# Altium PCB DAB_PCB.PcbDoc (part 2 of 3)
Units mil, origin at the board's own origin, x right, y up, seen from the top; angles counter-clockwise.
Board outline 6665.03 x 2844.03 mil, 4 copper layers (Top Layer, GND1, POWER1, Bottom Layer), stack 30.634 mil thick; 251 components, 123 nets, 1376 pads, 1039 vias.
Unrouted connection lines stored in the file: 2.
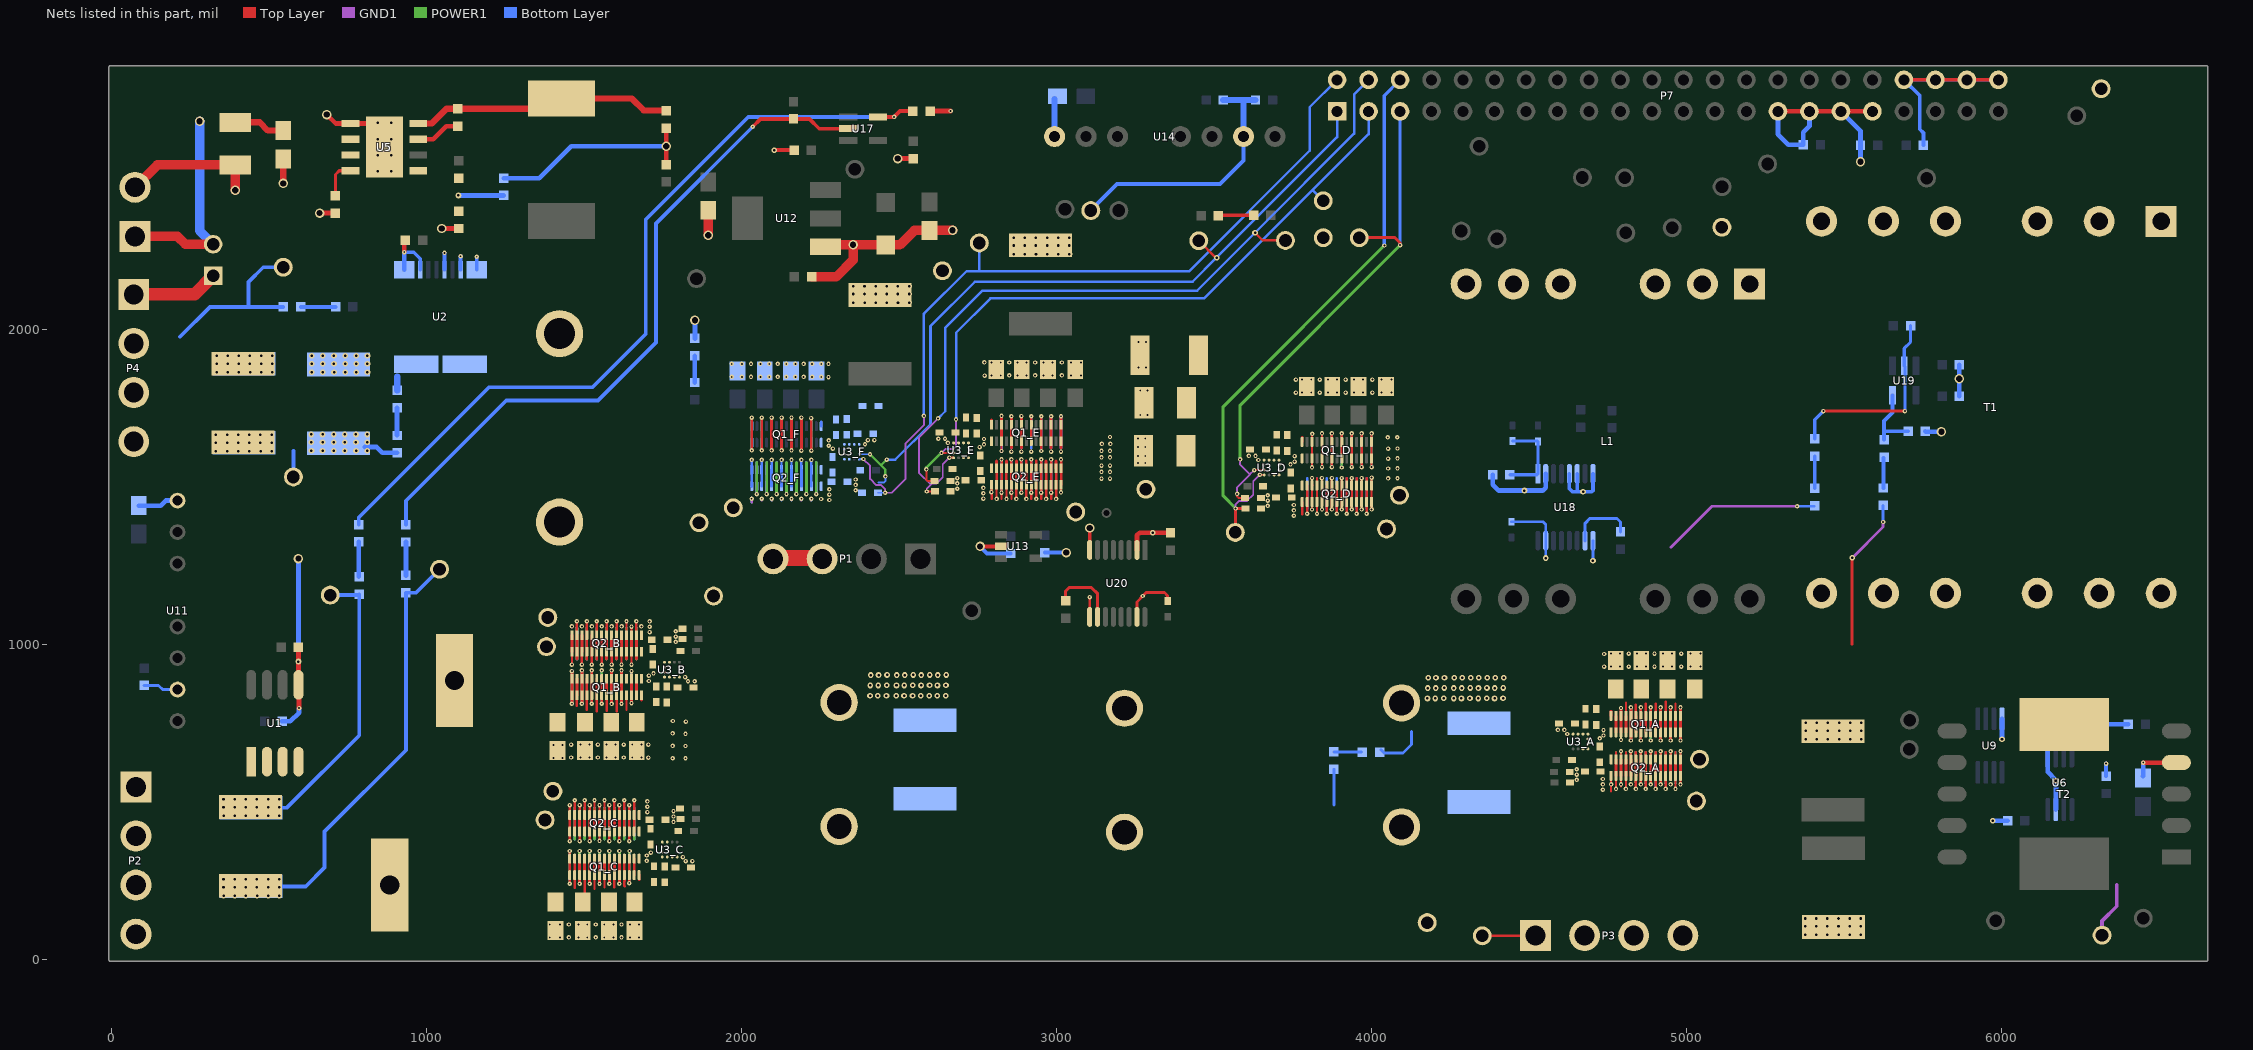
[diagram p4: the nets of this part, all layers, seen from the top]

## Via types
v1: diameter 14, hole 6, Top Layer to Bottom Layer, tented both sides, 440 vias
v2: diameter 18, hole 8, Top Layer to Bottom Layer, 287 vias
v3: diameter 14, hole 6, Top Layer to Bottom Layer, 148 vias
v4: diameter 18, hole 8, Top Layer to Bottom Layer, tented both sides, 136 vias
v5: diameter 30, hole 20, Top Layer to Bottom Layer, tented both sides, 27 vias
v6: diameter 18, hole 8, Top Layer to Bottom Layer, tented top, 1 vias

## Nets (pads, with @x,y where several pads share a name; then routed paths per layer and width w, separated by ;. In a path a pad name is that pad's centre, name@x,y a point inside that pad or via, vN(x,y) a via of type N, cw(c..) or ccw(c..) an arc to the next point about the centre after c; other vN are vias at no path point) (continued)
NetC3_2: C3.2 C11.1 C12.1 C13.2 C14.2 C24_A.2 C24_B.2 C24_C.2 C25_A.2 C25_B.2 C25_C.2 C33_A.2 C33_B.2 C33_C.2 C34_A.2 C34_B.2 C34_C.2 C47.1 P3.1 P3.2 P47.1 Q1_A.3 Q1_A.4 Q1_A.7 Q1_A.8 Q1_A.11 Q1_A.12 Q1_A.15 Q1_A.16 Q1_A.19 Q1_A.20 Q1_A.23 Q1_A.24 Q1_A.27 Q1_A.28 Q1_B.3 Q1_B.4 Q1_B.7 Q1_B.8 Q1_B.11 Q1_B.12 Q1_B.15 Q1_B.16 Q1_B.19 Q1_B.20 Q1_B.23 Q1_B.24 Q1_B.27 Q1_B.28 Q1_C.3 Q1_C.4 Q1_C.7 Q1_C.8 Q1_C.11 Q1_C.12 Q1_C.15 Q1_C.16 Q1_C.19 Q1_C.20 Q1_C.23 Q1_C.24 Q1_C.27 Q1_C.28 R48.1 R54.2 | length 2645.1
  Top Layer w7.5: 1470.2,228.6 Q1_C.27@1470.2,268.64 ; 1477.2,805.7 Q1_B.27@1477.2,839.89 ; C25_C.2@1501.69,188.77 Q1_C.23@1501.69,268.64 ; 1508.69,793.91 Q1_B.23@1508.69,839.89 ; 1533.19,225.71 Q1_C.19@1533.19,268.64 ; 1540.19,788.81 Q1_B.19@1540.19,839.89 ; 1564.69,229.91 Q1_C.15@1564.69,268.64 ; 1571.69,789.69 Q1_B.15@1571.69,839.89 ; 1596.18,230.02 Q1_C.11@1596.18,268.64 ; 1603.18,789.62 Q1_B.11@1603.18,839.89 ; Q1_C.7@1627.68,268.64 1628.93,267.39 1628.93,251.06 1627.78,249.91 1627.78,234.82 1629.9,232.7 ; 1634.68,794.28 Q1_B.7@1634.68,839.89 ; Q1_A.7@4808.24,774.36 4808.24,816.74 ; Q1_A.11@4839.74,774.36 4839.74,810.44 ; Q1_A.15@4871.24,774.36 4871.24,812.46 ; Q1_A.19@4902.73,774.36 4902.73,813.83 ; Q1_A.27@4965.72,774.36 4965.72,813.68
  Top Layer w7.53: Q1_A.23@4934.23,774.36 4934.23,820.13
  Top Layer w9: Q1_C.27@1470.2,268.64 Q1_C.28@1470.2,321 ; Q1_B.27@1477.2,839.89 Q1_B.28@1477.2,892.25 ; Q1_C.23@1501.69,268.64 Q1_C.24@1501.69,321 ; Q1_B.23@1508.69,839.89 Q1_B.24@1508.69,892.25 ; Q1_C.19@1533.19,268.64 Q1_C.20@1533.19,321 ; Q1_B.19@1540.19,839.89 Q1_B.20@1540.19,892.25 ; Q1_C.15@1564.69,268.64 Q1_C.16@1564.69,321 ; Q1_B.15@1571.69,839.89 Q1_B.16@1571.69,892.25 ; Q1_C.11@1596.18,268.64 Q1_C.12@1596.18,321 ; Q1_B.11@1603.18,839.89 Q1_B.12@1603.18,892.25 ; Q1_C.7@1627.68,268.64 Q1_C.8@1627.68,321 ; Q1_C.3@1659.18,268.64 Q1_C.4@1659.18,321 ; Q1_B.3@1666.18,839.89 Q1_B.4@1666.18,892.25 ; P47.1@4352,76 P3.1@4520.14,76 ; Q1_A.4@4776.75,722 Q1_A.3@4776.75,774.36 ; Q1_A.8@4808.24,722 Q1_A.7@4808.24,774.36 ; Q1_A.12@4839.74,722 Q1_A.11@4839.74,774.36 ; Q1_A.16@4871.24,722 Q1_A.15@4871.24,774.36 ; Q1_A.20@4902.73,722 Q1_A.19@4902.73,774.36 ; Q1_A.24@4934.23,722 Q1_A.23@4934.23,774.36 ; Q1_A.28@4965.72,722 Q1_A.27@4965.72,774.36 ; 5526,1002 5526,1275 v4(5527,1276)
  GND1 w9: v4(5527,1276) 5625,1374 v1(5625,1390)
  Bottom Layer w9: R54.2@4031,667 4041,657 4100,657 4127,684 4127,725 ; v1(5625,1390) R48.1@5625,1442
  other v1: 1781,640 1822,640 1781,679.33 1822,678.67 1822,717.33 1781,718.67 1823,756 1782,758
  other v2: 5379,700 5414.4,700 5449.8,700 5485.2,700 5520.6,700 5556,700 5378.8,727 5414.2,727 5449.6,727 5485,727 5520.4,727 5555.8,727 5378.8,752 5414.2,752 5449.6,752 5485,752 5520.4,752 5555.8,752
  other v4: 4178,829.8 4203,829.8 4230,830 4261,829.8 4286,829.8 4313,830 4339,829.8 4366,830 4391,829.8 4418,830 2408,838.1 2433,838.1 2460,838.3 2491,838.1 2516,838.1 2543,838.3 2569,838.1 2596,838.3 2621,838.1 2648,838.3 4179,862.8 4204,862.8 4231,863 4262,862.8 4287,862.8 4314,863 4340,862.8 4367,863 4392,862.8 4419,863 2409,871.1 2434,871.1 2461,871.3 2492,871.1 2517,871.1 2544,871.3 2570,871.1 2597,871.3 2622,871.1 2649,871.3 4180,895.8 4205,895.8 4232,896 4263,895.8 4288,895.8 4315,896 4341,895.8 4368,896 4393,895.8 4420,896 2410,904.1 2435,904.1 2462,904.3 2493,904.1 2518,904.1 2545,904.3 2571,904.1 2598,904.3 2623,904.1 2650,904.3
NetC4_1: C4.1 C5.1 C15.1 C22_E.1 P28_E.1 Q1_E.2 Q1_E.5 Q1_E.6 Q1_E.9 Q1_E.10 Q1_E.13 Q1_E.14 Q1_E.17 Q1_E.18 Q1_E.21 Q1_E.22 Q1_E.25 Q1_E.26 Q1_E.29 Q1_E.30 Q2_E.3 Q2_E.4 Q2_E.7 Q2_E.8 Q2_E.11 Q2_E.12 Q2_E.15 Q2_E.16 Q2_E.19 Q2_E.20 Q2_E.23 Q2_E.24 Q2_E.27 Q2_E.28 U3_E.C1 U3_E.D4 | length 2242.7
  Top Layer w7.5: v1(2809.75,1463.4) Q2_E.4@2809.75,1508.14 ; v1(2825.5,1615.6) Q1_E.6@2825.5,1646.5 ; v1@2841.24,1463.4 Q2_E.8@2841.24,1508.14 ; v1(2872.74,1463.4) Q2_E.12@2872.74,1508.14 ; v1(2904.24,1463.4) Q2_E.16@2904.24,1508.14 ; v1(2935.73,1463.4) Q2_E.20@2935.73,1508.14 ; v1@2967.23,1463.4 Q2_E.24@2967.23,1508.14 ; v1(2998.72,1463.4) Q2_E.28@2998.72,1508.14
  Top Layer w8: Q2_E.4@2809.75,1508.14 Q2_E.3@2809.75,1560.5 ; Q2_E.8@2841.24,1508.14 Q2_E.7@2841.24,1560.5 ; Q2_E.12@2872.74,1508.14 Q2_E.11@2872.74,1560.5 ; Q2_E.16@2904.24,1508.14 Q2_E.15@2904.24,1560.5 ; Q2_E.20@2935.73,1508.14 Q2_E.19@2935.73,1560.5 ; Q2_E.24@2967.23,1508.14 Q2_E.23@2967.23,1560.5 ; Q2_E.28@2998.72,1508.14 Q2_E.27@2998.72,1560.5
  Top Layer w9: Q2_E.3@2809.75,1560.5 2809.75,1584 ; Q1_E.6@2825.5,1646.5 Q1_E.5@2825.5,1698.86 v1(2825.5,1726.9) ; Q2_E.7@2841.24,1560.5 2841.24,1584 ; 2857,1625.5 Q1_E.10@2856.99,1646.5 Q1_E.9@2856.99,1698.86 v1(2856.99,1726) ; Q2_E.11@2872.74,1560.5 2872.74,1584 ; 2888.49,1625.5 Q1_E.14@2888.49,1646.5 Q1_E.13@2888.49,1698.86 v1(2888.49,1726.01) ; Q2_E.15@2904.24,1560.5 2904.24,1584 ; Q1_E.18@2919.98,1646.5 Q1_E.17@2919.98,1698.86 v1(2919.98,1726) ; Q2_E.19@2935.73,1560.5 2935.73,1584 ; 2951.48,1625.5 Q1_E.22@2951.48,1646.5 Q1_E.21@2951.48,1698.86 v1@2951.48,1723.02 ; Q2_E.23@2967.23,1560.5 2967.23,1584 ; 2982.98,1625.5 Q1_E.26@2982.98,1646.5 Q1_E.25@2982.98,1698.86 v1(2982.98,1726) ; Q2_E.27@2998.72,1560.5 2998.72,1584 ; 3014.47,1625.5 Q1_E.30@3014.47,1646.5 Q1_E.29@3014.47,1698.86 v1@3014.47,1723.97
  GND1 w9: v1@2825.5,1613.1 v1@2825.75,1613.35 ; v1@2825.5,1613.6 v1@2825.75,1613.35 ; v1@2826,1613.1 v1@2825.75,1613.35 ; v1@2826,1613.6 v1@2825.75,1613.35 ; v1@2919.98,1613.1 v1(2919.98,1613.6) v1@2919.98,1614.1
  Bottom Layer w9: v1(2825.5,1726.9) 2825.5,1724.19 2825.7,1724 2826.1,1724.4 2826.1,1624.1 ; 2857,1625.5 v1(2856.99,1726) ; 2888.49,1625.5 v1(2888.49,1726.01) ; v1@2919.98,1613.1 v1(2919.98,1613.6) v1@2919.98,1614.1 ; 2919.98,1625.5 v1(2919.98,1726) ; 2951.48,1625.5 v1(2951.48,1726) ; 2982.98,1625.5 v1(2982.98,1726) ; 3014.47,1625.5 v1(3014.47,1726)
  other v1: 2841.25,1463.4 2967.25,1463.4 3143,1528 3170,1528 3143,1549 3170,1549 3143,1569 3170,1569 3143,1595 3170,1595 2857,1613.6 2888.49,1613.6 2982.98,1613.6 3014.47,1613.6 2951.48,1615.6 3143,1616 3170,1616 2756,1628 2770,1636.5 3144,1638 3171,1638 2655,1641.5 2625,1654.5 2646,1654.5 2770,1653.5 3170,1660
  other v3: 3259,1577 3282,1577 3259,1599 3282,1599 3259,1628 3282,1628 3259,1655 3282,1655 3266,1730 3289,1730 3266,1808 3289,1808 3261,1881 3284,1881 3261,1961 3284,1961
NetC4_2: C4.2 C5.2 C15.2 L1.2
NetC8_1: C8.1 C9.1 C22_B.1 P2.3 P2.4 P11.1 P28_B.1 Q1_B.2 Q1_B.5 Q1_B.6 Q1_B.9 Q1_B.10 Q1_B.13 Q1_B.14 Q1_B.17 Q1_B.18 Q1_B.21 Q1_B.22 Q1_B.25 Q1_B.26 Q1_B.29 Q1_B.30 Q2_B.3 Q2_B.4 Q2_B.7 Q2_B.8 Q2_B.11 Q2_B.12 Q2_B.15 Q2_B.16 Q2_B.19 Q2_B.20 Q2_B.23 Q2_B.24 Q2_B.27 Q2_B.28 R41.2 U3_B.C1 U3_B.D4 | length 5663.4
  Top Layer w7.5: Q2_B.28@1477.2,1030.61 v1(1477.2,1075) ; Q2_B.24@1508.69,1030.61 v1(1508.69,1075) ; Q2_B.20@1540.19,1030.61 v1(1540.19,1075) ; Q2_B.16@1571.69,1030.61 v1(1571.69,1075) ; Q2_B.12@1603.18,1030.61 v1(1603.18,1075) ; Q2_B.8@1634.68,1030.61 v1(1634.68,1075) ; Q2_B.4@1666.18,1030.61 v1(1666.18,1075)
  Top Layer w9: v1(1461.3,916.7) 1461.3,892.4 Q1_B.30@1461.45,892.25 Q1_B.29@1461.45,839.89 v1@1461.45,814.78 ; 1477.2,954.75 Q2_B.27@1477.2,978.25 Q2_B.28@1477.2,1030.61 ; v1(1492.95,812.75) Q1_B.25@1492.95,839.89 Q1_B.26@1492.95,892.25 v1@1492.95,913.25 ; 1508.69,954.75 Q2_B.23@1508.69,978.25 Q2_B.24@1508.69,1030.61 ; v1@1524.44,815.73 Q1_B.21@1524.44,839.89 Q1_B.22@1524.44,892.25 v1@1524.44,913.25 ; 1540.19,954.75 Q2_B.19@1540.19,978.25 Q2_B.20@1540.19,1030.61 ; v1(1555.94,812.75) Q1_B.17@1555.94,839.89 Q1_B.18@1555.94,892.25 ; 1571.69,954.75 Q2_B.15@1571.69,978.25 Q2_B.16@1571.69,1030.61 ; v1(1587.43,812.74) Q1_B.13@1587.43,839.89 Q1_B.14@1587.43,892.25 v1@1587.43,913.25 ; 1603.18,954.75 Q2_B.11@1603.18,978.25 Q2_B.12@1603.18,1030.61 ; Q1_B.10@1618.92,892.26 v1@1618.92,913.25 ; v1(1618.93,812.75) Q1_B.9@1618.93,839.89 Q1_B.10@1618.93,892.25 ; 1634.68,954.75 Q2_B.7@1634.68,978.25 Q2_B.8@1634.68,1030.61 ; v1@1649.94,814.27 v1(1650.43,814.75) Q1_B.5@1650.43,839.89 Q1_B.6@1650.43,892.25 ; 1666.18,954.75 Q2_B.3@1666.18,978.25 Q2_B.4@1666.18,1030.61
  GND1 w9: v1@1461.3,812.9 v1(1461.45,812.75) ; v1@1650.43,912.24 1649.92,912.74 v1@1650.43,913.25
  POWER1 w9: v1(1461.3,916.7) 1461.3,812.9 v1(1461.45,812.75) ; 1477.2,954.75 1477.2,1053.02 ; v1(1492.95,812.75) v1@1492.95,913.25 ; 1508.69,954.75 1508.69,1053.02 ; v1(1524.44,812.75) v1@1524.44,913.25 ; 1540.19,954.75 1540.19,1052.52 ; v1(1555.94,812.75) v1@1555.94,914.25 ; 1571.69,954.75 1571.69,1053.01 ; v1(1587.43,812.74) v1@1587.43,913.25 ; 1603.18,954.75 1603.18,1052.51 ; v1(1618.93,812.75) v1@1618.93,913.25 ; 1634.68,954.75 1634.68,1052.25 ; v1(1650.43,814.75) v1@1650.43,913.87 ; 1666.18,954.75 1666.18,1052.25
  Bottom Layer w9: v1(1461.3,916.7) 1461.3,812.9 v1(1461.45,812.75) ; 1477.2,954.75 1477.2,1053.02 ; v1(1492.95,812.75) v1@1492.95,913.25 ; 1508.69,954.75 1508.69,1053.02 ; v1(1524.44,812.75) v1@1524.44,913.25 ; 1540.19,954.75 1540.19,1053.02 ; v1(1555.94,812.75) v1@1555.94,914.25 ; 1571.69,954.75 1571.69,1053.02 ; v1(1587.43,812.74) v1@1587.43,913.25 ; 1603.18,954.75 1603.18,1053.02 ; v1(1618.93,812.75) v1@1618.92,913.25 ; 1634.68,954.75 1634.68,1053.02 ; v1(1650.43,814.75) v1@1650.43,913.87 ; 1666.18,954.75 1666.18,1053.02
  Bottom Layer w12: C8.1@443,233 532,233 616,233 676,293 676,407 934.26,665.26 R41.2@934.26,1165.5 966.5,1165.5 P11.1@1041,1240
  other v1: 1829.92,884.25 1850.92,884.25 1705.92,885.25 1820.92,897.25 1705.92,902.25 1720.5,909.5 1650.43,916.7 1492.95,918.7 1524.44,918.7 1555.94,918.7 1587.43,918.7 1618.92,918.7
  other v2: 355.2,204 390.6,204 426,204 461.4,204 496.8,204 532.2,204 355,231 390.4,231 425.8,231 461.2,231 496.6,231 532,231 355,256 390.4,256 425.8,256 461.2,256 496.6,256 532,256
NetC8_2: C8.2 C9.2 P2.1 P2.2 P10.1 R36.1 U1.1 U1.2 | length 975.3
  Bottom Layer w12: C8.2@443,483 556.7,483 786.26,712.55 R36.1@786.26,1160.5 ; P10.1@694,1158 R36.1@783,1158
  other v2: 355.2,457 390.6,457 426,457 461.4,457 496.8,457 532.2,457 355,484 390.4,484 425.8,484 461.2,484 496.6,484 532,484 355,509 390.4,509 425.8,509 461.2,509 496.6,509 532,509
NetC16_2: C16.2 C17.2 C18.2 P4.1 P4.2 P5.1 P21.1 R1.2 R32.1 U2.10 | length 897.3
  Top Layer w40: P4.1@70,2112.86 262.86,2112.86 P5.1@322,2172
  Bottom Layer w12: 217,1978 312,2073 434,2073 ; R32.1@545,2073 434,2073 ; P21.1@545,2199 481,2199 434,2152 434,2073
  Bottom Layer w20: R1.2@906.25,1807.75 906.25,1851.75
  other v2: 333,1866 368.4,1866 403.8,1866 439.2,1866 474.6,1866 510,1866 635.2,1866 670.6,1866 706,1866 741.4,1866 776.8,1866 812.2,1866 332.8,1893 368.2,1893 403.6,1893 439,1893 474.4,1893 509.8,1893 635,1893 670.4,1893 705.8,1893 741.2,1893 776.6,1893 812,1893 332.8,1918 368.2,1918 403.6,1918 439,1918 474.4,1918 509.8,1918 635,1918 670.4,1918 705.8,1918 741.2,1918 776.6,1918 812,1918
NetC22_A_1: C22_A.1 P28_A.1 Q1_A.2 Q1_A.5 Q1_A.6 Q1_A.9 Q1_A.10 Q1_A.13 Q1_A.14 Q1_A.17 Q1_A.18 Q1_A.21 Q1_A.22 Q1_A.25 Q1_A.26 Q1_A.29 Q1_A.30 Q2_A.3 Q2_A.4 Q2_A.7 Q2_A.8 Q2_A.11 Q2_A.12 Q2_A.15 Q2_A.16 Q2_A.19 Q2_A.20 Q2_A.23 Q2_A.24 Q2_A.27 Q2_A.28 T1.3 U3_A.C1 U3_A.D4 | length 4021.8
  Top Layer w7.5: v1@4776.75,543.3 Q2_A.4@4776.75,583.64 ; Q2_A.3@4776.75,636 4776.75,659.5 ; v1@4792.5,698.3 Q1_A.6@4792.5,722 ; v1(4808.24,542.6) Q2_A.8@4808.24,583.64 ; Q2_A.7@4808.24,636 4808.24,659.5 ; v1(4839.75,542.6) Q2_A.12@4839.74,583.64 ; Q2_A.11@4839.74,636 4839.74,659.5 ; v1(4871.24,542.6) Q2_A.16@4871.24,583.64 ; Q2_A.15@4871.24,636 4871.24,659.5 ; v1(4902.73,542.6) Q2_A.20@4902.73,583.64 ; Q2_A.19@4902.73,636 4902.73,659.5 ; v1(4934.23,542.6) Q2_A.24@4934.23,583.64 ; Q2_A.23@4934.23,636 4934.23,659.5 ; v1(4965.75,542.6) Q2_A.28@4965.72,583.64 ; Q2_A.27@4965.72,636 4965.72,659.5
  Top Layer w9: Q2_A.4@4776.75,583.64 Q2_A.3@4776.75,636 ; Q1_A.6@4792.5,722 Q1_A.5@4792.5,774.36 v1(4792.5,799.5) ; Q2_A.8@4808.24,583.64 Q2_A.7@4808.24,636 ; v1@4824,701 Q1_A.10@4823.99,722 Q1_A.9@4823.99,774.36 v1(4823.99,801.5) ; Q2_A.12@4839.74,583.64 Q2_A.11@4839.74,636 ; v1@4855.49,701 Q1_A.14@4855.49,722 Q1_A.13@4855.49,774.36 v1(4855.49,801.51) ; Q2_A.16@4871.24,583.64 Q2_A.15@4871.24,636 ; Q1_A.18@4886.98,722 Q1_A.17@4886.98,774.36 v1(4886.98,801.5) ; Q2_A.20@4902.73,583.64 Q2_A.19@4902.73,636 ; v1@4918.48,701 Q1_A.22@4918.48,722 Q1_A.21@4918.48,774.36 v1@4918.48,798.52 ; Q2_A.24@4934.23,583.64 Q2_A.23@4934.23,636 ; v1@4949.98,701 Q1_A.26@4949.98,722 Q1_A.25@4949.98,774.36 v1(4949.98,801.5) ; Q2_A.28@4965.72,583.64 Q2_A.27@4965.72,636 ; v1@4981.47,701 Q1_A.30@4981.47,722 Q1_A.29@4981.47,774.36 v1@4981.47,799.47
  GND1 w9: v1@4886.98,695.8 v1(4886.98,696.3) v1@4886.98,696.8
  POWER1 w7.5: 4776.75,562 4776.75,659.5 ; 4808.24,562 4808.24,659.5 ; 4839.74,561.74 4839.74,659.5 ; 4871.24,561.24 4871.24,659.5 ; 4902.73,561.73 4902.73,659.5 ; 4934.23,561.23 4934.23,659.5 ; 4965.72,561.23 4965.72,659.5
  POWER1 w9: v1@4823.99,701 v1(4823.99,801.5) ; v1@4855.49,701 v1(4855.49,801.51) ; v1@4886.98,695.8 v1(4886.98,696.3) v1@4886.98,696.8 ; v1@4886.98,701 v1(4886.98,801.5) ; v1@4918.48,701 v1(4918.48,801.5) ; v1@4949.98,701 v1(4949.98,801.5) ; v1@4981.47,701 v1(4981.47,801.5)
  Bottom Layer w7.5: 4776.75,561.23 4776.75,659.5 ; 4808.24,561.23 4808.24,659.5 ; 4839.74,636 4839.74,659.5 ; 4871.24,561.23 4871.24,659.5 ; v1(4902.73,542.6) 4902.73,659.5 ; 4934.23,561.23 4934.23,659.5 ; 4965.72,561.23 4965.72,659.5
  Bottom Layer w9: v1@4824,701 v1(4823.99,801.5) ; v1@4855.49,701 v1(4855.49,801.51) ; v1@4886.98,695.8 v1(4886.98,696.3) v1@4886.98,696.8 ; v1@4886.98,701 v1(4886.98,801.5) ; v1@4918.48,701 v1(4918.48,801.5) ; v1@4949.98,701 v1(4949.98,801.5) ; v1@4981.47,701 v1(4981.47,801.5)
  other v1: 4776.75,542.6 4824,696.3 4855.49,696.3 4918.48,696.3 4949.98,696.3 4981.47,696.3 4792.7,698.3 4725,703 4737,712 4622,717 4737,729 4592,730 4613,730
NetC22_A_2: C22_A.2 U3_A.D3
NetC22_B_2: C22_B.2 U3_B.D3
NetC22_C_1: C22_C.1 L3.1 P28_C.1 Q1_C.2 Q1_C.5 Q1_C.6 Q1_C.9 Q1_C.10 Q1_C.13 Q1_C.14 Q1_C.17 Q1_C.18 Q1_C.21 Q1_C.22 Q1_C.25 Q1_C.26 Q1_C.29 Q1_C.30 Q2_C.3 Q2_C.4 Q2_C.7 Q2_C.8 Q2_C.11 Q2_C.12 Q2_C.15 Q2_C.16 Q2_C.19 Q2_C.20 Q2_C.23 Q2_C.24 Q2_C.27 Q2_C.28 U3_C.C1 U3_C.D4 | length 4050.8
  Top Layer w7.5: Q2_C.28@1470.2,459.36 v1(1470.2,506.5) ; Q2_C.24@1501.69,459.36 v1@1501.69,506.4 ; Q2_C.20@1533.19,459.36 v1(1533.19,506.5) ; Q2_C.16@1564.69,459.36 v1(1564.69,506.5) ; Q2_C.12@1596.18,459.36 v1(1596.18,506.5) ; Q2_C.8@1627.68,459.36 v1(1627.68,506.5) ; Q2_C.4@1659.18,459.36 v1(1659.18,506.5)
  Top Layer w9: v1@1454.45,243.53 Q1_C.29@1454.45,268.64 Q1_C.30@1454.45,321 v1(1454.45,345.45) ; Q2_C.27@1470.2,407 Q2_C.28@1470.2,459.36 ; v1(1485.95,241.5) Q1_C.25@1485.95,268.64 Q1_C.26@1485.95,321 ; Q2_C.23@1501.69,407 Q2_C.24@1501.69,459.36 ; v1@1517.44,244.48 Q1_C.21@1517.44,268.64 Q1_C.22@1517.44,321 ; Q2_C.19@1533.19,407 Q2_C.20@1533.19,459.36 ; v1(1548.94,241.5) Q1_C.17@1548.94,268.64 Q1_C.18@1548.94,321 ; Q2_C.15@1564.69,407 Q2_C.16@1564.69,459.36 ; v1(1580.43,241.49) Q1_C.13@1580.43,268.64 Q1_C.14@1580.43,321 ; Q2_C.11@1596.18,407 Q2_C.12@1596.18,459.36 ; v1(1611.93,241.5) Q1_C.9@1611.93,268.64 Q1_C.10@1611.93,321 ; Q2_C.7@1627.68,407 Q2_C.8@1627.68,459.36 ; v1(1627.68,506.5) v1@1627.68,507.9 ; v1(1643.43,243.43) Q1_C.5@1643.43,268.64 Q1_C.6@1643.43,321 ; Q2_C.3@1659.18,407 Q2_C.4@1659.18,459.36
  POWER1 w9: v1(1454.45,241.5) v1@1454.45,342 ; 1470.2,383.5 1470.2,481.77 ; v1(1485.95,241.5) v1@1485.95,342 ; 1501.69,383.5 1501.69,481.77 ; v1(1517.44,241.5) v1@1517.44,342 ; 1533.19,383.5 1533.19,481.27 ; v1(1548.94,241.5) v1@1548.94,343 ; 1564.69,383.5 1564.69,481.76 ; v1(1580.43,241.49) v1@1580.43,342 ; 1596.18,383.5 1596.18,481.26 ; v1(1611.93,241.5) v1@1611.93,342 ; 1627.68,383.5 1627.68,481 ; v1(1643.43,243.43) v1@1643.43,342.73 ; 1659.18,383.5 1659.18,481
  Bottom Layer w9: v1(1454.45,241.5) v1@1454.45,342 ; 1470.2,383.5 1470.2,481.77 ; v1(1485.95,241.5) v1@1485.95,342 ; 1501.69,383.5 1501.69,481.77 ; v1(1517.44,241.5) v1@1517.44,342 ; 1533.19,383.5 1533.19,481.77 ; v1(1548.94,241.5) v1@1548.94,343 ; 1564.69,383.5 1564.69,481.77 ; v1(1580.43,241.49) v1@1580.43,342 ; 1596.18,383.5 1596.18,481.77 ; v1(1611.93,241.5) v1@1611.92,342 ; 1627.68,384.3 1627.68,481.77 ; v1(1643.43,243.43) v1@1643.43,342.73 ; 1659.18,383.5 1659.18,481.77
  other v1: 1822.92,313 1843.92,313 1698.92,314 1813.92,326 1698.92,331 1712,340 1485.95,345.45 1517.44,345.45 1548.94,345.45 1580.43,345.45 1611.92,345.45 1644.8,345.45 1501.69,506.5
NetC22_C_2: C22_C.2 U3_C.D3
NetC22_D_1: C22_D.1 P28_D.1 Q1_D.2 Q1_D.5 Q1_D.6 Q1_D.9 Q1_D.10 Q1_D.13 Q1_D.14 Q1_D.17 Q1_D.18 Q1_D.21 Q1_D.22 Q1_D.25 Q1_D.26 Q1_D.29 Q1_D.30 Q2_D.3 Q2_D.4 Q2_D.7 Q2_D.8 Q2_D.11 Q2_D.12 Q2_D.15 Q2_D.16 Q2_D.19 Q2_D.20 Q2_D.23 Q2_D.24 Q2_D.27 Q2_D.28 T1.2 U3_D.C1 U3_D.D4 | length 3499.7
  Top Layer w7.5: v1(3795.75,1416.4) Q2_D.4@3795.75,1453.64 Q2_D.3@3795.75,1506 ; v1(3811.5,1563.5) Q1_D.6@3811.5,1592 Q1_D.5@3811.5,1644.36 v1@3811.5,1669.5 ; v1(3827.24,1416.4) Q2_D.8@3827.24,1453.64 Q2_D.7@3827.24,1506 3827.24,1529.5 ; v1@3843,1571 Q1_D.10@3842.99,1592 Q1_D.9@3842.99,1644.36 v1(3842.99,1671.5) ; v1(3858.74,1416.4) Q2_D.12@3858.74,1453.64 Q2_D.11@3858.74,1506 ; v1@3874.49,1571 Q1_D.14@3874.49,1592 Q1_D.13@3874.49,1644.36 v1(3874.49,1671.51) ; v1(3890.24,1416.4) Q2_D.16@3890.24,1453.64 Q2_D.15@3890.24,1506 ; Q1_D.18@3905.98,1592 Q1_D.17@3905.98,1644.36 v1(3905.98,1671.5) ; v1(3921.73,1416.4) Q2_D.20@3921.73,1453.64 Q2_D.19@3921.73,1506 3921.73,1529.5 ; v1@3937.48,1571 Q1_D.22@3937.48,1592 Q1_D.21@3937.48,1644.36 v1@3937.48,1668.52 ; v1(3953.23,1416.4) Q2_D.24@3953.23,1453.64 Q2_D.23@3953.23,1506 3953.23,1529.5 ; v1@3968.98,1571 Q1_D.26@3968.98,1592 Q1_D.25@3968.98,1644.36 v1(3968.98,1671.5) ; v1(3984.72,1416.4) Q2_D.28@3984.72,1453.64 Q2_D.27@3984.72,1506 3984.72,1529.5 ; v1@4000.47,1571 Q1_D.30@4000.47,1592 Q1_D.29@4000.47,1644.36 v1@4000.47,1669.47
  POWER1 w7.5: v1@3811.5,1570.37 3811.5,1669.5 v1(3812,1670) ; v1@3842.99,1571 v1(3842.99,1671.5) ; v1@3874.49,1571 v1(3874.49,1671.51) ; v1@3905.98,1570 v1(3905.98,1671.5) ; v1@3937.48,1571 v1(3937.48,1671.5) ; v1@3968.98,1571 v1(3968.98,1671.5) ; v1@4000.47,1571 v1(4000.47,1671.5)
  Bottom Layer w7.5: 3795.75,1431.23 3795.75,1529.5 ; v1@3811.5,1570.37 3811.5,1669.5 v1(3812,1670) ; 3827.24,1431.23 3827.24,1529.5 ; v1@3843,1571 v1(3842.99,1671.5) ; 3858.74,1431.23 3858.74,1529.5 ; v1@3874.49,1571 v1(3874.49,1671.51) ; 3890.24,1431.23 3890.24,1529.5 ; v1@3905.98,1570 v1(3905.98,1671.5) ; 3921.73,1431.23 3921.73,1529.5 ; v1@3937.48,1571 v1(3937.48,1671.5) ; 3953.23,1431.23 3953.23,1529.5 ; v1@3968.98,1571 v1(3968.98,1671.5) ; 3984.72,1431.23 3984.72,1529.5 ; v1@4000.47,1571 v1(4000.47,1671.5)
  other v1: 4053,1528.5 4083,1528.98 4053,1560 4083,1560.48 3905.98,1563.12 3843,1564.12 3874.49,1564.12 3937.48,1564.12 3968.98,1564.12 4000.47,1564.12 3743,1573 3756,1582 3641,1587 4053,1591.5 4083,1591.98 3756,1599 3611,1600 3632,1600 4053,1622.99 4083,1623.47 4052,1658.52 4082,1659
NetC22_D_2: C22_D.2 U3_D.D3
NetC22_E_2: C22_E.2 U3_E.D3
NetC22_F_1: C22_F.1 L4.2 P28_F.1 Q1_F.2 Q1_F.5 Q1_F.6 Q1_F.9 Q1_F.10 Q1_F.13 Q1_F.14 Q1_F.17 Q1_F.18 Q1_F.21 Q1_F.22 Q1_F.25 Q1_F.26 Q1_F.29 Q1_F.30 Q2_F.3 Q2_F.4 Q2_F.7 Q2_F.8 Q2_F.11 Q2_F.12 Q2_F.15 Q2_F.16 Q2_F.19 Q2_F.20 Q2_F.23 Q2_F.24 Q2_F.27 Q2_F.28 U3_F.C1 U3_F.D4 | length 3452.9